# Altium PCB RTLS_Node_pcb.PcbDoc (continued)
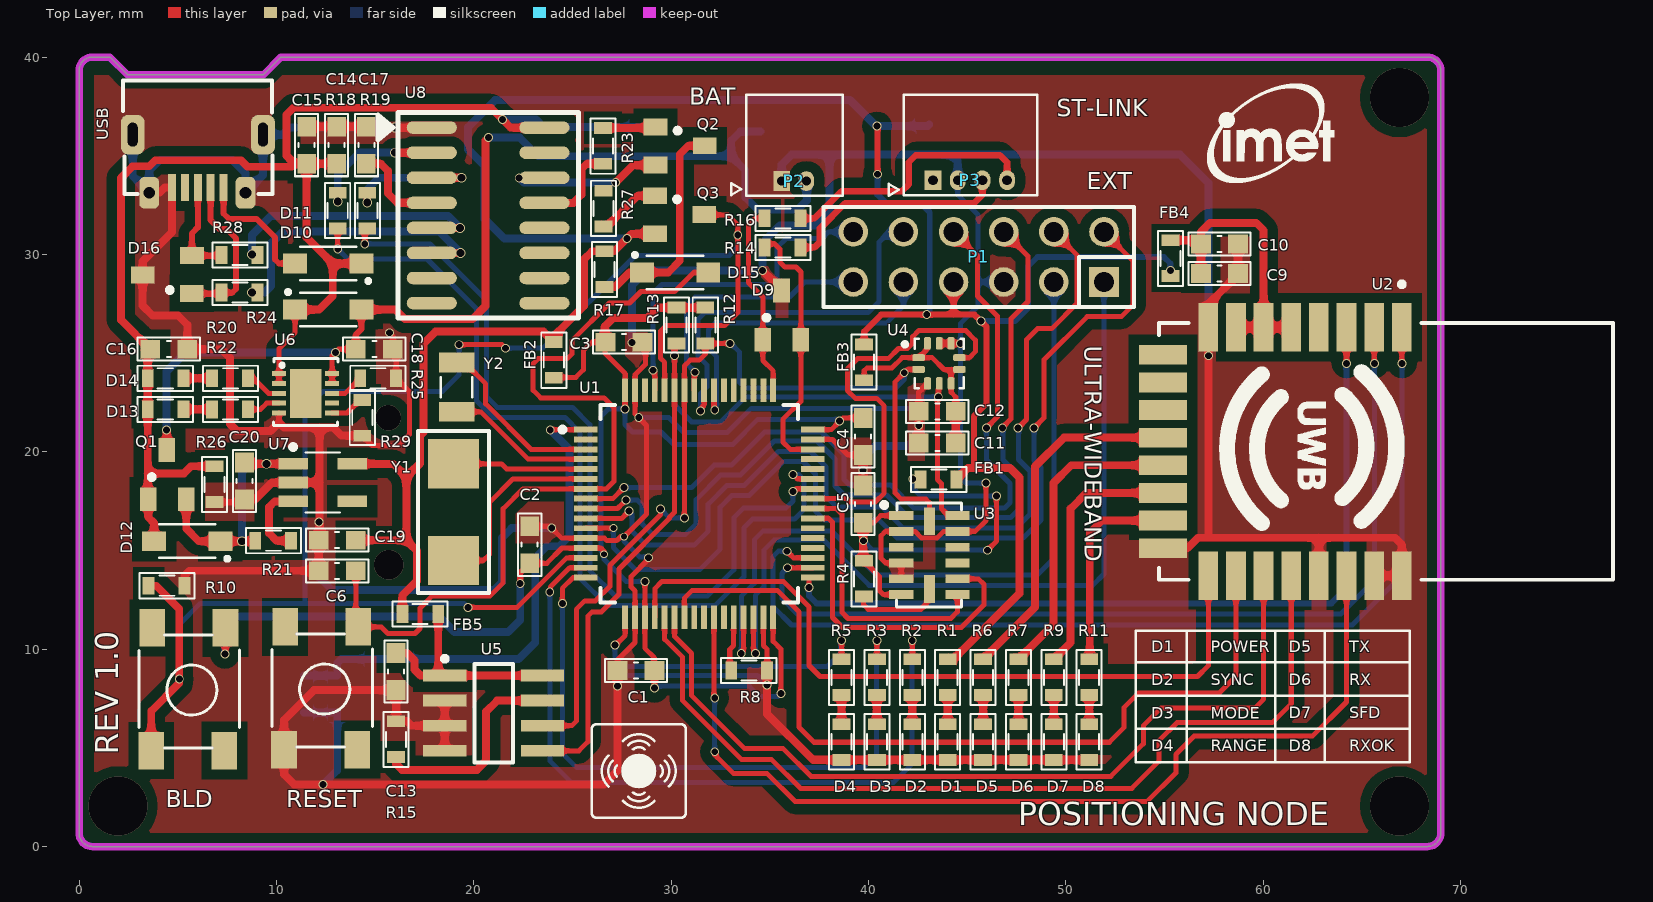
[diagram p0: Top Layer view]
## Nets (pads, with @x,y where several pads share a name; then routed paths per layer and width w, separated by ;. In a path a pad name is that pad's centre, name@x,y a point inside that pad or via, vN(x,y) a via of type N, cw(c..) or ccw(c..) an arc to the next point about the centre after c; other vN are vias at no path point)
3V3: C19.1 FB1.1 FB2.2 FB3.1 FB4.1 FB5.1 P1.4 Q3.2 R1.2 R17.2 TP3.1 U7.5 | length 128.8
  Top Layer w0.3: FB3.1 39.777,26.087 40.64,26.949 v1(42.951,26.949) 44.309,26.949 ; v1(40.426,36.5) 40.462,36.463 v1(40.462,34.061) ; P1.4 44.309,26.949 ; 45.39,19.177 45.339,19.228 45.339,21.793 45.974,22.428 45.974,26.34 v1(45.695,26.619) 45.364,26.949 44.309,26.949
  Top Layer w0.4: U7.5 15.916,19.39 16.586,18.72 ; C19.1 16.586,15.519 ; FB5.1 16.383,12.725 17.12,13.462 17.12,14.986 16.586,15.519 ; Q3.2 27.996,31.044 v1(27.755,30.803) 27.114,30.162 R17.2 25.997,30.162 25.578,29.743 25.578,27.381 24.054,25.857 FB2.2 23.533,26.086 18.059,26.086 17.45,25.476 17.45,20.988 17.271,20.809 17.271,19.404 16.586,18.72 ; R1.2 44.31,9.487 47.65,12.827 47.65,18.694 47.168,19.177 45.39,19.177 45.034,19.177 FB1.1 ; 16.586,15.519 16.586,18.72
  Bottom Layer w0.3: v1(40.462,34.061) 40.462,33.071 40.437,33.045 40.919,32.563 42.672,32.563 43.104,32.131 43.104,27.102 v1(42.951,26.949) ; v1(45.695,26.619) 47.422,26.619 48.082,27.28 48.082,29.388 48.565,29.87 54.966,29.87 55.296,29.54 v1(55.296,29.185)
  Bottom Layer w0.4: v1(27.755,30.803) 21.547,30.803 20.549,31.801 20.549,34.493 19.863,35.179 19.837,35.179 19.71,35.306 19.71,36.449 21.082,37.821 39.065,37.821 v1@40.406,36.48 ; v1(40.426,36.5) 43.002,36.5 TP3.1
3V3_ACCEL: C5.1 FB1.2 R4.2 U3.1 U3.6 | length 21.7
  Top Layer w0.254: C5.1 40.259,16.408 40.617,16.766 U3.1 ; R4.2 39.777,14.456 40.557,13.676 40.557,12.96 40.752,12.766 U3.6 ; v1(42.24,18.618) 42.266,18.593 FB1.2 ; v1(46.025,15.011) 46.482,15.469 v1(46.482,17.755)
  Top Layer w0.4: C5.1 39.727,14.529 R4.2
  Bottom Layer w0.254: v1(39.751,15.494) 39.751,15.469 40.208,15.011 v1(46.025,15.011) ; v1(42.24,18.618) 42.24,18.161 42.647,17.755 v1(46.482,17.755)
3V3_EEPROM: C13.1 FB5.2 U5.1 U5.8 | length 11.1
  Top Layer w0.4: C13.1 16.612,9.804 16.993,9.423 16.993,8.966 17.297,8.661 U5.1@18.186,8.661 ; FB5.2@18.199,11.557 18.199,8.674 U5.1@18.186,8.661 ; U5.8 U5.1 U5.1@18.186,8.661
3V3_LPS: C11.1 C12.1 FB3.2 U4.1 U4.5 U4.6 U4.10 | length 10.6
  Top Layer w0.254: FB3.2 39.777,24.106 39.929,24.257 41.193,24.257 41.707,24.771 U4.1 ; U4.10 42.985,25.218 U4.1 ; C12.1 44.424,22.77 44.185,23.009 U4.5 44.185,24.171 ; U4.6 44.185,24.171 ; U4.1 43.225,24.771 43.825,24.171 44.185,24.171
  Top Layer w0.4: C11.1 C12.1
3V3_MCU: BLD.1 C1.2 C2.2 C3.2 C4.2 FB2.1 R12.1 R13.1 U1.13 U1.19 U1.32 U1.48 U1.64 | length 83
  Top Layer w0.254: C2.2 23.698,14.351 24.471,15.124 U1.13 26.431,15.124 26.594,14.961 v3(26.594,14.808) ; FB2.1@24.079,23.774 25.171,23.774 25.552,24.155 25.552,25.121 25.984,25.552 C3.2@26.645,25.552 ; C3.2@26.645,25.705 C3.2@26.645,25.552 ; C3.2@26.797,25.552 C3.2 C3.2@26.645,25.552 ; v1(27.661,22.174) 27.67,22.183 U1.64 27.67,23.968 26.645,24.994 C3.2@26.645,25.552 ; v1(28.677,13.437) 28.67,13.43 U1.19 28.67,10.049 29.134,9.585 29.134,9.068 C1.2@29.286,8.915 ; v1(29.159,8.026) C1.2 ; U1.32 35.17,10.398 35.56,10.008 v1(35.56,7.747) ; U1.48 38.116,21.124 v1@38.544,21.552 ; 38.71,21.717 C4.2
  Top Layer w0.3: v1(7.391,9.754) 7.417,9.779 BLD.1 ; v1(22.352,13.335) 22.352,13.868 C2.2
  Top Layer w0.4: C3.2@26.797,25.552 26.645,25.705 26.645,26.365 27.051,26.772 28.778,26.772 29.312,27.305 R13.1 R12.1
  Bottom Layer w0.254: v1(28.677,13.437) 27.711,13.437 26.594,14.554 v3(26.594,14.808) 26.441,14.961 26.441,21.793 26.822,22.174 v1(27.661,22.174) 27.661,21.387 28.042,21.006 29.489,21.006 30.124,20.371 33.122,20.371 34.392,21.641 38.456,21.641 v1(38.532,21.565) ; v1(29.159,8.026) 29.261,8.128 33.96,8.128 34.493,7.595 35.408,7.595 v1(35.56,7.747)
  Bottom Layer w0.4: v1(7.391,9.754) 7.391,11.074 7.976,11.659 18.237,11.659 19.025,10.871 21.742,10.871 22.352,11.481 v1(22.352,13.335)
3V3_UWB: C9.2 C10.2 FB4.2 U2.5 U2.6 U2.7 | length 15
  Top Layer w0.4: FB4.2 56.655,30.721 C10.2 ; C9.2 C10.2 ; U2.6 60.018,31.219 59.639,31.598 57.302,31.598 56.845,31.14 C10.2
  Top Layer w0.5: U2.7 U2.6 U2.5
+3V3_MCU: P3.1
+5V: C14.2 C15.2 C16.1 D10.2 D11.2 D12.1 D13.1 D14.1 Q1.1 R26.2 TP1.1 U6.1 U6.2 U8.16 | length 72.8
  Top Layer w0.254: U6.2 U6.1 10.135,25.222 10.944,26.031 D10.2
  Top Layer w0.4: D12.1 3.801,16.392 3.505,16.688 Q1.1 3.479,17.624 3.479,18.898 ; R26.2 5.676,19.265 5.309,18.898 3.479,18.898 ; D10.2 12.167,27.203 12.852,27.889 12.852,29.54 ; C14.2 C15.2 ; D11.2 12.852,29.54 ; U8.16 21.869,36.424 v1(21.45,36.843) 20.865,37.428 10.868,37.428 10.516,37.076 10.516,35.001 10.922,34.595 ; 3.479,18.898 D13.1 D14.1 3.479,25.069 C16.1 2.121,26.683 2.121,33.871 2.718,34.468 3.556,34.468 3.861,34.773 8.204,34.773 8.534,34.442 10.77,34.442 10.922,34.595 ; 10.922,34.595 C15.2 ; C15.2 11.531,30.861 12.852,29.54
  Bottom Layer w0.4: v1(21.45,36.843) 23.152,36.843 23.546,36.449 TP1.1
BOOT0: BLD.2 Q3.3 R10.2 U1.14 U1.60 | length 85.2
  Top Layer w0.254: v1(19.253,25.425) 21.438,25.425 v1(21.615,25.248) ; v1(19.71,12.116) 22.2,12.116 24.707,14.624 U1.14 ; U1.60 29.67,24.534 29.464,24.74 29.464,26.111 29.743,26.391 32.715,26.391 33.376,27.051 v1(33.376,30.988) 33.376,31.496 32.868,32.004 31.7,32.004 Q3.3
  Top Layer w0.4: R10.2 3.907,13.213 5.08,12.04 v1(5.08,8.484) 5.08,8.28 3.658,6.858 BLD.2
  Bottom Layer w0.254: v1(5.08,8.484) 5.08,11.252 6.147,12.319 19.507,12.319 v1(19.71,12.116) ; 11.455,12.446 11.455,22.149 12.37,23.063 18.415,23.063 19.253,23.901 v1(19.253,25.425) ; v1(21.615,25.248) 23.495,25.248 28.194,29.947 32.944,29.947 33.376,30.378 v1(33.376,30.988)
BOOT1: R8.1 U1.28 | length 2.8
  Top Layer w0.254: R8.1 32.969,8.992 32.969,9.982 33.17,10.183 U1.28
D+: R28.1 U8.5 | length 13.9
  Top Layer w0.4: v2(8.763,29.997) 9.017,29.997 R28.1 ; U8.5 v2(19.304,31.344)
  Bottom Layer w0.4: v2(8.763,29.997) 8.763,30.988 9.728,31.953 18.694,31.953 v2(19.304,31.344)
D-: R24.1 U8.6 | length 15.3
  Top Layer w0.4: v2(8.763,28.067) R24.1 ; U8.6 v2(19.329,30.074)
  Bottom Layer w0.4: v2(8.763,28.067) 9.398,28.067 9.728,28.397 9.728,30.556 10.331,31.159 18.244,31.159 v2(19.329,30.074)
EXT_IO1: P1.9 U1.8 | length 40.7
  Top Layer w0.254: U1.8 27.047,17.624 v1(27.61,18.186) ; P1.9 45.517,29.932 45.517,27.889 46.533,26.873 46.533,21.768 v1(45.974,21.209)
  Bottom Layer w0.254: v1(27.61,18.186) 31.039,18.186 32.182,19.329 33.064,19.329 34.74,21.006 37.617,21.006 38.76,19.863 38.76,18.593 39.04,18.313 41.123,18.313 42.291,17.145 46.888,17.145 47.168,17.424 47.168,18.39 45.974,19.583 v1(45.974,21.209)
EXT_IO2: P1.10 U1.9 | length 43.8
  Top Layer w0.254: U1.9 27.284,17.124 27.551,17.391 ; v1@46.812,21.26 47.219,21.666 47.219,26.746 48.082,27.61 48.082,29.907 P1.10
  Bottom Layer w0.254: v1(27.711,17.551) 28.296,17.551 28.524,17.323 28.524,16.358 29.083,15.799 30.714,15.799 31.267,16.352 31.267,17.577 32.512,18.821 33.503,18.821 35.23,20.549 37.389,20.549 38.303,19.634 38.303,18.263 38.76,17.805 40.919,17.805 42.062,16.662 47.193,16.662 47.65,17.12 47.65,18.745 46.812,19.583 v1@46.812,21.184
  other v1: 46.778,21.209
EXT_IO3: P1.11 U1.10 | length 45.9
  Top Layer w0.254: U1.10 27.495,16.624 v1@27.772,16.901 ; v1(47.583,21.209) 48.006,21.632 48.006,25.679 48.565,26.238 49.276,26.238 50.571,27.534 50.571,29.958 P1.11
  Bottom Layer w0.254: v1(27.864,16.993) 28.016,16.84 28.016,15.977 28.727,15.265 31.166,15.265 31.877,15.977 31.877,17.348 32.817,18.288 33.706,18.288 35.433,20.015 37.059,20.015 37.846,19.228 37.846,17.755 38.405,17.196 40.691,17.196 41.758,16.129 47.473,16.129 48.184,16.84 48.184,19.025 47.6,19.609 47.6,21.107 v1@47.625,21.133
EXT_IO4: P1.12 U1.11 | length 49.5
  Top Layer w0.254: U1.11 25.675,16.129 v3(27.076,16.129) ; v1(48.387,21.209) 48.895,21.717 48.895,24.663 51.079,26.848 52.807,26.848 53.391,27.432 53.391,29.678 P1.12
  Bottom Layer w0.254: v3(27.076,16.129) 27.076,15.138 28.169,14.046 31.471,14.046 32.487,15.062 32.487,17.196 33.071,17.78 33.96,17.78 35.687,19.507 36.678,19.507 37.313,18.872 37.313,16.993 37.77,16.535 40.538,16.535 41.453,15.621 47.828,15.621 48.743,16.535 48.743,19.202 48.387,19.558 v1@48.387,21.158
EXT_RX: P1.1 U1.30 | length 40.6
  Top Layer w0.254: U1.30 34.17,9.874 v1@34.204,9.84
  Bottom Layer w0.254: v1(34.265,9.779) 34.265,12.725 34.696,13.157 34.696,15.011 35.204,15.519 37.744,15.519 40.03,13.233 51.359,13.233 51.929,13.803 P1.1
EXT_TX: P1.2 U1.29 | length 38.6
  Top Layer w0.254: v1(33.553,9.779) 33.67,9.895 U1.29
  Bottom Layer w0.254: v1(33.553,9.779) 33.553,12.675 34.214,13.335 34.214,15.545 34.646,15.977 38.151,15.977 40.361,13.767 48.565,13.767 49.389,14.591 P1.2
EXTON: U1.35 U2.1 | length 50.7
  Top Layer w0.254: v1(35.865,14.961) 36.202,14.624 U1.35 U1.35@37.177,14.63 ; U2.1 67.018,24.498 v1@67.031,24.486
  Bottom Layer w0.254: v1(35.865,14.961) 35.433,14.961 35.154,14.681 35.154,12.167 36.093,11.227 64.516,11.227 67.031,13.741 v1(67.031,24.466)
GND: BAT.2 C1.1 C2.1 C3.1 C4.1 C5.2 C6.1 C7.1 C8.1 C9.1 C10.1 C11.2 C12.2 C13.2 C14.1 C15.1 C16.2 C17.1 C18.2 C19.2 C20.2 D1.2 D2.2 D3.2 D4.2 D5.2 D6.2 D7.2 D8.2 D9.3 D16.3 P1.3 P2.1 P3.2 R8.2 R10.1 R15.2 R25.2 R26.1 R29.2 RESET.2 U1.12 U1.18 U1.31 U1.47 U1.63 U2.8 U2.16 U2.21 U2.23 U2.24 U3.2 U3.4 U3.5 U3.12 U4.3 U4.8 U4.9 U5.2 U5.3 U5.4 U6.5 U7.2 U8.1 USB.5 | length 342
  Top Layer w0.254: 10.135,21.488 U6.5 ; R29.2 14.847,20.32 16.18,20.32 16.74,20.881 16.74,23.049 R25.2 16.065,25.031 C18.2 15.9,25.854 v1(15.723,26.031) ; C2.1 23.851,16.231 v1(23.952,16.129) 24.458,15.624 U1.12 26.617,15.624 26.746,15.494 27.229,15.494 27.432,15.697 v3(27.61,15.697) 28.753,16.84 28.753,21.336 v1(28.359,21.73) ; C1.1@27.407,8.915 27.254,9.068 27.254,9.421 28.17,10.336 U1.18 28.17,12.953 27.965,13.157 27.965,13.676 28.854,14.565 v1(28.854,14.63) ; 28.17,21.919 U1.63 28.17,23.903 28.702,24.435 C3.1@28.702,25.578 ; U1.31 34.67,10.187 34.861,9.995 R8.2 ; U1.47 38.177,20.624 38.964,19.837 C4.1 ; U3.5 U3.4 40.867,14.366 40.64,14.593 40.64,15.748 40.858,15.966 U3.2 42.352,15.966 42.469,15.85 42.469,15.848 42.693,15.624 43.464,15.624 43.806,15.966 U3.12 45.405,15.966 45.949,16.51 v1(45.949,18.415) ; C12.2 42.544,23.02 U4.3
  Top Layer w0.3: R26.1 8.254,17.449 C20.2 ; U4.9 U4.8 v1(44.653,25.492)
  Top Layer w0.4: USB.5@3.556,33.122 4.072,33.122 4.343,33.393 4.72,33.393 4.72,31.136 3.22,29.636 D16.3 3.22,27.412 3.734,26.899 5.024,26.899 5.486,26.436 C16.2 7.214,25.197 7.645,24.765 7.645,21.412 8.001,21.057 9.703,21.057 10.135,21.488 10.389,21.234 12.192,21.234 ; R10.1 5.339,13.721 5.588,13.97 C6.1 C19.2 12.192,15.57 12.192,18.44 ; C20.2 8.915,17.577 9.779,18.44 U7.2 12.192,18.44 ; C15.1 C14.1 C17.1 14.605,36.424 v2(16.002,36.424) U8.1 ; R29.2 13.297,20.816 12.878,21.234 12.192,21.234 ; U5.4 U5.3 ; U5.2 U5.3 ; C1.1@27.407,8.915 C1.1 v1(27.28,8.128) 27.28,3.835 26.594,3.15 v1(12.37,3.15) 10.897,3.15 10.389,3.658 RESET.2 10.389,6.401 11.913,7.925 C13.2 R15.2 16.612,6.35 16.84,6.121 U5.3 ; v1(28.016,25.527) 28.042,25.552 C3.1 ; v1(34.62,29.185) 35.591,28.214 D9.3 ; R8.2 v1(34.861,8.179) 34.861,6.719 37.198,4.382 D4.2 D3.2 D2.2 D1.2 D5.2 D6.2 D7.2 D8.2 ; C5.2 v1(39.727,19.063) C4.1 ; C11.2 v1(42.544,21.336) C12.2 ; U2.16 56.162,15.115 56.693,15.646 57.201,15.646 ; C10.1 C9.1 58.725,28.981 57.218,27.474 U2.8 v1(57.218,24.867) 57.218,15.663 57.201,15.646 ; U2.21 62.818,15.646 ; U2.23 U2.24 67.018,15.304 66.675,15.646 62.818,15.646 ; 12.192,18.44 12.192,21.234 ; 57.201,15.646 62.818,15.646
  Bottom Layer w0.254: v1(27.28,8.128) 27.28,8.382 27.559,8.661 34.379,8.661 v1(34.861,8.179) ; v3(27.61,15.697) 27.61,15.469 28.397,14.681 28.804,14.681 v1(28.854,14.63) ; v1(28.359,21.73) 29.895,21.73 30.644,20.98 32.842,20.98 34.061,22.2 42.164,22.2 42.544,21.819 v1(42.544,21.336) ; P3.2 44.521,33.025 45.542,32.004 45.542,28.6 ; v1(45.949,18.415) 44.933,18.415 44.653,18.694 v1(44.653,25.492) 44.653,26.492 45.542,27.381 45.542,28.6 ; P1.3 45.542,28.6
  Bottom Layer w0.4: USB.5@2.72,36.068 2.72,33.958 3.556,33.122 3.556,34.239 4.115,34.798 7.747,34.798 8.433,34.112 8.433,33.122 9.32,34.009 9.32,36.068 10.312,36.068 10.668,36.424 v2(16.002,36.424) ; C8.1 C7.1 13.081,3.861 v1(12.37,3.15) ; v1(12.167,16.434) 12.167,13.64 12.802,13.005 21.031,13.005 21.438,13.411 21.438,15.646 21.92,16.129 v1(23.952,16.129) ; v1(28.016,25.527) 28.016,28.448 28.753,29.185 v1(34.62,29.185) 34.62,30.575 35.516,31.471 37.313,31.471 38.024,32.182 38.024,35.052 ; P2.1 35.6,34.559 36.093,35.052 38.024,35.052 ; v1(39.727,19.063) 39.727,19.687 40.335,20.295 41.986,20.295 42.544,20.853 v1(42.544,21.336) ; P3.2 44.521,34.727 44.196,35.052 ; v1(57.218,24.867) 57.218,33.613 55.778,35.052 44.196,35.052 ; 38.024,35.052 44.196,35.052
I2C1_SCL: R12.2 U1.58 U3.14 U4.2 U5.6 | length 48
  Top Layer w0.254: U5.6 24.968,6.121 25.197,6.35 25.197,12.014 25.629,12.446 26.162,12.446 26.899,13.183 26.899,14.249 29.464,16.815 v1(29.464,17.094) ; v1(30.67,16.65) U1.58 30.67,24.345 30.963,24.638 31.42,24.638 31.73,24.948 R12.2 v1(32.982,25.489) ; U4.2 41.976,24.171 v1(41.808,24.003) 41.351,23.546 41.351,17.907 41.656,17.602 42.901,17.602 43.078,17.424 U3.14
  Bottom Layer w0.254: v1(29.464,17.094) 29.908,16.65 v1(30.67,16.65) ; v1(32.982,25.489) 33.026,25.489 33.452,25.063 33.452,23.52 33.731,23.241 41.402,23.241 41.808,23.647 v1(41.808,24.003)
I2C1_SDA: R13.2 U1.59 U3.13 U4.4 U5.5 | length 49
  Top Layer w0.254: U5.5 25.324,4.851 25.781,5.309 25.781,11.672 25.997,11.887 26.467,11.887 27.356,12.776 27.356,14.06 29.921,16.625 29.921,16.687 30.17,16.936 U1.59 v1(30.17,24.867) 30.17,25.382 R13.2 ; U4.4 43.536,23.411 v1(43.536,22.784) 43.485,22.733 43.485,18.593 43.688,18.39 43.688,17.12 44.041,16.766 U3.13
  Bottom Layer w0.254: v1(30.17,24.867) 30.17,22.383 31.035,21.517 32.516,21.517 33.782,22.784 v1(43.536,22.784)
INT: U1.41 U4.7 | length 20.8
  Top Layer w0.254: U1.41 38.887,17.624 39.053,17.458 40.347,17.458 40.792,17.903 40.792,22.327 40.411,22.708 39.33,22.708 38.938,23.1 38.938,24.206 39.446,24.714 41.004,24.714 41.517,25.228 41.967,25.228 42.24,25.502 42.24,25.832 42.549,26.14 44.929,26.14 45.415,25.654 45.415,25.07 45.116,24.771 U4.7
INT1: U1.40 U3.8 | length 13.6
  Top Layer w0.254: U1.40 38.375,17.124 38.659,16.84 38.659,11.862 38.964,11.557 44.17,11.557 44.5,11.887 U3.8
INT2: U1.39 U3.9 | length 16.8
  Top Layer w0.254: U1.39 37.986,16.624 38.176,16.434 38.176,11.608 38.684,11.1 44.704,11.1 45.847,12.243 45.847,13.284 45.565,13.566 U3.9
LED1: R3.2 U1.16 | length 32.9
  Top Layer w0.254: v1(24.486,12.319) 24.486,13.081 25.028,13.624 U1.16 ; R3.2 40.426,10.378 v1@40.437,10.389
  Bottom Layer w0.254: v1(24.486,12.319) 24.486,4.724 25.197,4.013 39.751,4.013 40.411,4.674 40.411,10.414 v1(40.437,10.439)
LED2: R2.2 U1.15 | length 37.3
  Top Layer w0.254: v1(23.851,12.903) 23.876,12.903 23.876,13.146 24.854,14.124 U1.15 ; v1@42.215,10.338 42.218,10.334 R2.2
  Bottom Layer w0.254: v1(23.851,12.903) 23.851,4.343 24.943,3.251 41.275,3.251 42.215,4.191 v1(42.215,10.439)
LED3: R5.2 U1.17 | length 15.9
  Top Layer w0.254: v1(27.153,10.211) 27.191,10.211 27.67,10.69 U1.17 ; R5.2 v1(38.633,10.439)
  Bottom Layer w0.254: v1(27.153,10.211) 27.153,9.627 27.661,9.119 37.922,9.119 38.583,9.779 38.583,10.49 v1(38.633,10.439)
LED_RX: R7.2 U2.13 | length 15.6
  Top Layer w0.4: R7.2 49.378,11.268 49.378,18.415 50.278,19.315 U2.13
LED_RXOK: R11.2 U2.15 | length 10.4
  Top Layer w0.4: R11.2 51.206,9.512 51.206,15.9 51.821,16.515 U2.15
LED_SFD: R9.2 U2.14 | length 13
  Top Layer w0.4: R9.2 50.241,10.339 50.241,17.12 51.037,17.915 U2.14
LED_TX: R6.2 U2.12 | length 17.9
  Top Layer w0.4: R6.2 48.438,12.121 48.438,19.253 49.9,20.715 U2.12
NetC17_2: C17.2 U8.4 | length 4.8
  Top Layer w0.4: C17.2 15.291,34.595 15.646,34.239 15.646,33.096 16.129,32.614 U8.4
NetC20_1: C20.1 D12.2 Q1.2 R21.2 U7.1 | length 12.7
  Top Layer w0.4: Q1.2 5.43,16.109 6.071,15.469 D12.2 v2(8.255,15.469) 8.903,15.469 R21.2 ; C20.1 8.448,19.39 v2(9.5,19.39) U7.1
  Bottom Layer w0.4: v2(8.255,15.469) 8.255,18.974 8.672,19.39 v2(9.5,19.39)
NetD1_1: D1.1 R1.1 | length 1.5
  Top Layer w0.4: D1.1 R1.1
NetD2_1: D2.1 R2.1 | length 1.5
  Top Layer w0.4: D2.1 R2.1
NetD3_1: D3.1 R3.1 | length 1.5
  Top Layer w0.4: D3.1 R3.1
NetD4_1: D4.1 R5.1 | length 1.5
  Top Layer w0.4: D4.1 R5.1
NetD5_1: D5.1 R6.1 | length 1.5
  Top Layer w0.4: D5.1 R6.1
NetD6_1: D6.1 R7.1 | length 1.5
  Top Layer w0.4: D6.1 R7.1
NetD7_1: D7.1 R9.1 | length 1.5
  Top Layer w0.4: D7.1 R9.1
NetD8_1: D8.1 R11.1 | length 1.5
  Top Layer w0.4: D8.1 R11.1
NetD13_2: D13.2 R22.2 | length 1.4
  Top Layer w0.4: D13.2 R22.2
NetD14_2: D14.2 R20.2 | length 1.4
  Top Layer w0.4: D14.2 R20.2
NetD15_2: D15.2 Q2.3 R17.1 | length 11.2
  Top Layer w0.381: D15.2 29.845,29.083 30.429,29.667 30.429,35.077 30.856,35.504 Q2.3
  Top Layer w0.4: R17.1 27.153,28.346 27.889,29.083 D15.2
NetD16_1: D16.1 R24.2 USB.2 | length 8.2
  Top Layer w0.3: D16.1 7.176,28.016 R24.2 7.772,28.067 7.95,28.245 7.95,30.81 7.468,31.293 7.112,31.293 6.67,31.735 USB.2
NetD16_2: D16.2 R28.2 USB.3 | length 5.1
  Top Layer w0.3: USB.3 6.02,31.369 5.72,31.07 D16.2 7.196,29.941 R28.2
NetP3_3: P3.3 R14.1 | length 11.5
  Top Layer w0.33: R14.1 37.262,30.353 37.541,30.632 37.541,31.315 38.814,32.588 45.339,32.588 45.491,32.741 45.771,33.02 P3.3
NetP3_4: P3.4 R16.1 | length 13.5
  Top Layer w0.33: R16.1 37.262,31.826 38.633,33.198 41.687,33.198 42.037,33.548 42.037,34.671 42.393,35.027 46.66,35.027 47.021,34.666 P3.4
NetQ2_1: Q2.1 R23.2 | length 2.7
  Top Layer w0.4: R23.2 29.172,36.411 Q2.1
NetQ2_2: Q2.2 R27.1 U8.14 | length 8.6
  Top Layer w0.4: v1(22.301,33.871) 22.314,33.884 U8.14 ; v1(27.191,33.642) 28.072,34.524 Q2.2
  Bottom Layer w0.4: v1(22.301,33.871) 22.53,33.642 v1(27.191,33.642)
NetQ3_1: Q3.1 R27.2 | length 3.3
  Top Layer w0.4: R27.2 26.734,31.407 28.296,32.969 Q3.1
NetR4_1: R4.1 U3.7 | length 4.6
  Top Layer w0.254: R4.1 39.751,12.637 39.751,12.248 39.985,12.014 42.647,12.014 43.078,12.446 U3.7
NetR15_1: R15.1 U5.7 | length 10.8
  Top Layer w0.4: R15.1 16.065,4.178 16.358,3.886 20.168,3.886 20.625,4.343 20.625,6.833 21.184,7.391 U5.7
NetR18_1: R18.1 U8.2 | length 7
  Top Layer w0.4: v2(13.106,32.69) R18.1 ; v2(16.002,35.154) U8.2
  Bottom Layer w0.4: v2(13.106,32.69) 13.106,34.061 14.199,35.154 v2(16.002,35.154)
NetR19_1: R19.1 U8.3 | length 7.7
  Top Layer w0.4: v2(14.605,32.639) R19.1 ; U8.3 v2(19.38,33.884)
  Bottom Layer w0.4: v2(14.605,32.639) 14.605,33.299 15.189,33.884 v2(19.38,33.884)
NetR20_1: R20.1 U6.3 | length 1.9
  Top Layer w0.254: R20.1 8.837,23.724 9.599,22.962 U6.3
NetR21_1: R21.1 U7.3 | length 3.9
  Top Layer w0.4: R21.1 10.008,15.494 9.632,15.87 9.632,16.111 9.627,16.116 9.627,17.196 9.921,17.49 U7.3
NetR22_1: R22.1 U6.4 | length 1.7
  Top Layer w0.254: R22.1 9.195,22.149 9.508,22.462 U6.4
NetR23_1: R23.1 U8.13 | length 4.5
  Top Layer w0.4: U8.13 25.044,32.614 25.451,33.02 25.451,34.315 25.73,34.595 R23.1
NetR25_1: R25.1 U6.8 | length 1.7
  Top Layer w0.254: U6.8 13.487,22.962 R25.1
NetR29_1: R29.1 U6.6 | length 1.8
  Top Layer w0.254: U6.6 13.58,21.962 14.249,22.631 R29.1
NetU1_5: U1.5 Y1.1 | length 6.8
  Top Layer w0.254: Y1.1 21.401,19.392 21.669,19.124 U1.5
NetU1_6: U1.6 Y1.2 | length 10
  Top Layer w0.254: Y1.2 20.486,14.492 20.803,14.808 20.803,17.45 21.976,18.624 U1.6
NRST: C6.2 D15.1 RESET.1 U1.7 | length 42.7
  Top Layer w0.254: C6.2 14.021,11.252 RESET.1 15.316,11.125 15.646,10.795 17.018,10.795 17.272,11.049 17.272,12.076 17.896,12.7 20.828,12.7 21.488,13.36 21.488,17.12 22.492,18.124 U1.7 26.722,18.124 27.102,18.504 27.102,22.225 26.594,22.733 23.393,22.733 23.012,23.114 23.012,24.46 23.266,24.714 24.734,24.714 24.968,24.948 24.968,25.629 26.873,27.534 27.889,27.534 28.473,28.118 30.175,28.118 31.14,29.083 D15.1
OSC32_IN: U1.3 Y2.2 | length 9
  Top Layer w0.254: Y2.2 19.523,24.522 20.599,23.445 20.599,22.428 22.904,20.124 U1.3
OSC32_OUT: U1.4 Y2.1 | length 7.5
  Top Layer w0.254: Y2.1 20.359,22.022 22.757,19.624 U1.4
RST: U1.33 U2.3 | length 41.5
  Top Layer w0.254: v1(36.982,13.132) 36.982,13.436
  Top Layer w0.3: v1@64.211,24.638 64.218,24.645 U2.3
  Bottom Layer w0.3: v1(36.982,13.132) 36.982,12.7 37.363,12.319 63.449,12.319 64.211,13.081 v1(64.211,24.466)
SPI1_CLK: U1.21 U2.20 | length 46.2
  Top Layer w0.254: U1.21 29.67,10.501 30.582,9.59 30.582,7.391 33.553,4.42 35.077,4.42 36.551,2.946 53.34,2.946 54.712,4.318 54.712,5.359 55.626,6.274 60.452,6.274 61.418,7.24 U2.20
SPI1_CS: U1.20 U2.17 | length 38.2
  Top Layer w0.254: U1.20 29.17,13.066 29.54,13.437 35.687,13.437 36.982,12.141 36.982,9.169 37.541,8.611 56.667,8.611 57.218,9.161 U2.17
SPI1_IRQ: U1.26 U2.22 | length 49
  Top Layer w0.254: U1.26 32.17,7.556 v1(32.207,7.518) ; v1(32.207,4.801) 32.207,4.648 33.147,3.708 34.849,3.708 36.271,2.286 54.127,2.286 55.575,3.734 55.575,4.674 56.49,5.588 62.484,5.588 64.218,7.322 U2.22
  Bottom Layer w0.254: v1(32.207,4.801) v1(32.207,7.518)
SPI1_MISO: U1.22 U2.19 | length 43.4
  Top Layer w0.254: U1.22 30.17,10.648 31.039,9.779 31.039,7.645 33.706,4.978 35.662,4.978 37.084,3.556 52.273,3.556 53.924,5.207 53.924,6.121 54.813,7.01 59.563,7.01 60.018,7.465 U2.19
SPI1_MOSI: U1.23 U2.18 | length 42.8
  Top Layer w0.254: U1.23 30.67,12.585 31.064,12.979 35.382,12.979 36.474,11.887 36.474,6.045 37.236,5.283 52.197,5.283 52.934,6.02 52.934,7.036 53.67,7.772 57.76,7.772 58.618,8.631 U2.18
SPI3_CS: P1.7 U1.61 | length 17.7
  Top Layer w0.254: v1@29.131,24.082 29.17,24.043 U1.61
  Bottom Layer w0.254: v1(29.083,24.13) 29.083,28.016 29.54,28.473 35.052,28.473 35.357,28.778 35.357,30.34 35.827,30.81 37.643,30.81 37.973,31.14 P1.7 P1.7@38.898,30.81
SPI3_MISO: P1.8 U1.56 | length 20.1
  Top Layer w0.254: v1(31.496,22.073) 31.496,22.197 31.67,22.371 U1.56
  Bottom Layer w0.254: v1(31.496,22.073) 31.496,22.962 31.826,23.292 31.826,24.384 31.369,24.841 31.369,26.721 31.699,27.051 39.98,27.051 40.538,27.61 40.538,30.632 41.046,31.14 P1.8
SPI3_MOSI: P1.6 U1.57 | length 13.4
  Top Layer w0.254: U1.57 31.17,23.982 v1(31.217,24.028)
  Bottom Layer w0.254: v1(31.217,24.028) 30.785,24.46 30.785,27.407 31.217,27.838 35.992,27.838 36.754,28.6 P1.6
SPI3_SCK: P1.5 U1.55 | length 16.9
  Top Layer w0.254: U1.55 32.17,22.161 v1(32.207,22.123)
  Bottom Layer w0.254: v1(32.207,22.123) 32.309,22.225 32.309,24.816 31.902,25.222 31.902,26.187 32.233,26.518 40.894,26.518 41.769,27.392 P1.5
SWCLK: D9.1 R16.2 U1.49 | length 9.9
  Top Layer w0.254: R16.2 34.239,31.826 33.909,31.496 33.909,28.575 34.646,27.838 D9.1 34.646,24.625 35.17,24.101 U1.49
SWDIO: D9.2 R14.2 U1.46 | length 13.5
  Top Layer w0.254: R14.2 34.915,30.531 35.255,30.531 35.509,30.277 35.509,29.616 35.763,29.362 36.322,29.362 36.576,29.108 36.576,25.676 D9.2 36.571,22.55 35.662,21.641 35.662,20.498 36.036,20.124 U1.46
UART1_RX: R18.2 U1.43 | length 45.7
  Top Layer w0.254: v1(13.107,30.277) R18.2 ; v1@36.315,18.702 36.393,18.624 U1.43
  Bottom Layer w0.254: v1(13.107,30.277) 13.615,29.769 17.628,29.769 20.142,27.254 20.142,22.581 20.98,21.742 24.625,21.742 25.375,20.993 25.375,13.589 26.746,12.217 32.233,12.217 33.68,13.665 33.68,16.142 34.124,16.586 36.246,16.586 36.725,17.065 36.725,18.571 36.449,18.847 v1(36.17,18.847)
UART1_TX: R19.2 U1.42 | length 42.2
  Top Layer w0.254: v1(14.478,30.531) 14.478,31.179 R19.2 ; v1(36.17,17.983) 36.31,18.124 U1.42
  Bottom Layer w0.254: v1(14.478,30.531) 17.78,30.531 20.65,27.661 20.65,22.784 21.184,22.25 25.006,22.25 25.883,21.374 25.883,13.97 27.153,12.7 31.852,12.7 33.172,14.021 33.172,16.662 33.655,17.145 35.814,17.145 36.17,17.501 v1(36.17,17.983)
USB_DM: U1.44
USB_DP: U1.45
V_RTC: BAT.1 C7.2 C8.2 U1.1 | length 26.8
  Top Layer w0.254: v1(23.876,21.107) 23.892,21.124 U1.1
  Bottom Layer w0.4: C8.2 C7.2 13.081,9.296 13.284,9.5 BAT.1 22.276,9.5 23.114,10.338 23.114,14.63 23.698,15.215 24.333,15.215 24.841,15.723 24.841,20.142 v1(23.876,21.107)
VBAT: C18.1 D10.1 P2.2 Q1.3 TP2.1 U6.9 U6.10 | length 55.2
  Top Layer w0.254: U6.9 U6.10 12.827,24.866 v1(12.993,25.031) 13.158,25.197 C18.1
  Top Layer w0.3: C18.1 14.02,25.933 14.304,26.216 D10.1
  Top Layer w0.4: v1(4.429,21.107) 4.45,21.087 Q1.3 ; D10.1 16.027,27.203 16.51,26.721 19.939,26.721 20.599,27.381 20.599,35.763 v1(20.752,35.916)
  Bottom Layer w0.4: v1(4.429,21.107) 4.429,24.063 5.397,25.031 v1(12.993,25.031) ; v1(20.752,35.916) 22.327,35.916 23.266,34.976 33.045,34.976 ; TP2.1 33.503,36.22 33.045,35.763 33.045,34.976 ; P2.2 36.881,33.685 36.881,32.741 36.424,32.283 34.366,32.283 33.757,32.893 33.757,34.265 33.045,34.976
VUSB: D11.1 USB.1 | length 6.6
  Top Layer w0.3: USB.1 7.32,32.076 7.595,31.801 8.992,31.801 9.931,30.861 9.931,29.743 10.135,29.54 D11.1
WAKEUP: U1.34 U2.2 | length 46.9
  Top Layer w0.254: v1(35.89,14.122) v1(35.89,14.122) U1.34 ; U2.2 65.618,24.451 v1(65.634,24.466)
  Bottom Layer w0.254: v1(35.89,14.122) 35.611,13.843 35.611,12.573 36.398,11.786 44.985,11.786 45.002,11.769 45.879,11.769 45.896,11.786 63.932,11.786 65.634,13.487 v1(65.634,24.466)
pads on no net: BLD.3 BLD.4 RESET.3 RESET.4 U1.2 U1.24 U1.25 U1.27 U1.36 U1.37 U1.38 U1.50 U1.51 U1.52 U1.53 U1.54 U1.62 U2.4 U2.9 U2.10 U2.11 U3.3 U3.10 U3.11 U6.7 U6.11 U7.4 U8.7 U8.8 U8.9 U8.10 U8.11 U8.12 U8.15 USB.4
copper on no net:
  other v4: 1.981,2.057 66.904,2.057 66.904,37.948
  other v5: 15.672,21.717
  other v6: 15.697,14.275

## Polygon pours and split planes (outlines as drawn)
GND on Top Layer "GND_L01_P000" (solid, remove dead copper, pour order 0): 0.762,39.065 68.707,39.065 68.707,0.508 0.762,0.508
GND on Bottom Layer "BOT_GND" (solid, remove dead copper, pour order 2): 68.478,39.116 68.478,0.483 0.737,0.483 0.737,39.116

## Keep-outs
Keep-Out Layer:
  lines w0.381: 0,0.686 ccw(c0.686,0.686) 0.686,0 67.361,0 68.314,0 ccw(c68.314,0.686) 69,0.686 69,1.639 69,38.481 69,39.314 ccw(c68.314,39.314) 68.314,40 10.231,40 9.322,39.091 2.464,39.091 1.554,40 0.686,40 ccw(c0.686,39.314) 0,39.314 0,0.686

## Silkscreen, mask and mechanical layers (free items; w line width, h text height)
Top Overlay:
  drawing of 2540 lines, arcs and shapes, not listed
  text "ULTRA-WIDEBAND" at 50.648,25.375 h1.5 r270
  text "D1" at 54.331,9.855 h0.6
  text "POWER" at 57.331,9.855 h0.6
  text "D5" at 61.29,9.855 h0.6
  text "TX" at 64.364,9.855 h0.6
  text "D2" at 54.331,8.179 h0.6
  text "SYNC" at 57.331,8.179 h0.6
  text "D6" at 61.29,8.179 h0.6
  text "RX" at 64.364,8.179 h0.6
  text "D7" at 61.29,6.502 h0.6
  text "SFD" at 64.364,6.502 h0.6
  text "D3" at 54.331,6.477 h0.6
  text "MODE" at 57.331,6.477 h0.6
  text "D4" at 54.331,4.826 h0.6
  text "RANGE" at 57.331,4.826 h0.6
  text "D8" at 61.29,4.826 h0.6
  text "RXOK" at 64.364,4.826 h0.6
  text "REV 1.0" at 2.388,4.648 h2 r90
  text "POSITIONING NODE" at 47.574,0.66 h2
Bottom Overlay:
  circle w0.127: c38.252,33.655 r0.665
  circle w0.127: c34.112,33.655 r0.665
  lines w0.127: 49.606,32.334 49.606,35.458 ; 49.886,19.685 66.446,19.685 ; 51.232,32.334 51.232,35.458 ; 52.756,15.799 52.756,23.419 ; 53.01,32.334 53.01,35.458 ; 55.677,15.748 55.677,23.444 ; 55.956,34.265 63.805,34.265 63.805,34.341 ; 55.956,36.22 63.805,36.22 ; 58.395,15.824 58.395,23.444 ; 59.88,32.36 59.88,38.075 ; 60.96,15.748 60.96,23.444 ; 63.703,15.748 63.703,23.444 ; 47.955,32.334 54.661,32.334 54.661,35.458 47.955,35.458 47.955,32.334 ; 48.26,36.474 48.717,35.789 49.149,36.474 48.26,36.474 ; 49.886,15.748 66.446,15.748 66.446,23.444 49.886,23.444 49.886,15.748 ; 55.956,32.36 63.805,32.36 63.805,38.075 55.956,38.075 55.956,32.36
  lines w0.508: 0.127,0.864 ccw(c0.838,0.864) 0.838,0.152 68.097,0.152 ccw(c68.097,0.889) 68.834,0.889 68.834,39.065 ccw(c67.996,39.065) 67.996,39.903 66.675,39.903 10.414,39.903 9.423,38.913 2.362,38.913 1.397,39.878 0.813,39.878 ccw(c0.813,39.192) 0.127,39.192 0.127,0.864
  text "5V" at 59.258,36.841 h1.5
  text "TP1" at 62.89,36.83 h1.5
  text "3V3" at 49.174,35.027 h1.5 r90
  text "0V" at 50.784,35.027 h1.5 r90
  text "TMS" at 52.393,35.027 h1.5 r90
  text "TCK" at 54.153,35.027 h1.5 r90
  text "VBAT" at 59.258,34.874 h1.5
  text "TP2" at 62.89,34.874 h1.5
  text "-" at 34.366,33.376 h0.6
  text "+" at 38.506,33.376 h0.6
  text "3V3" at 59.258,32.868 h1.5
  text "TP3" at 62.89,32.868 h1.5
  text "CS" at 50.952,20.98 h1.5 r270
  text "IO1" at 56.617,20.549 h1.5 r270
  text "IO3" at 62.078,20.489 h1.5 r270
  text "IO2" at 59.258,20.485 h1.5 r270
  text "IO4" at 64.605,20.465 h1.5 r270
  text "MISO" at 53.924,20.269 h1.5 r270
  text "TX" at 62.09,17.043 h1.5 r270
  text "RX" at 64.594,17.043 h1.5 r270
  text "SCK" at 53.924,16.662 h1.5 r270
  text "3V3" at 56.617,16.612 h1.5 r270
  text "MOSI" at 50.952,16.434 h1.5 r270
  text "GND" at 59.258,16.434 h1.5 r270